# KiCad board Smart LED WS2812B Ring7.kicad_pcb (continued)
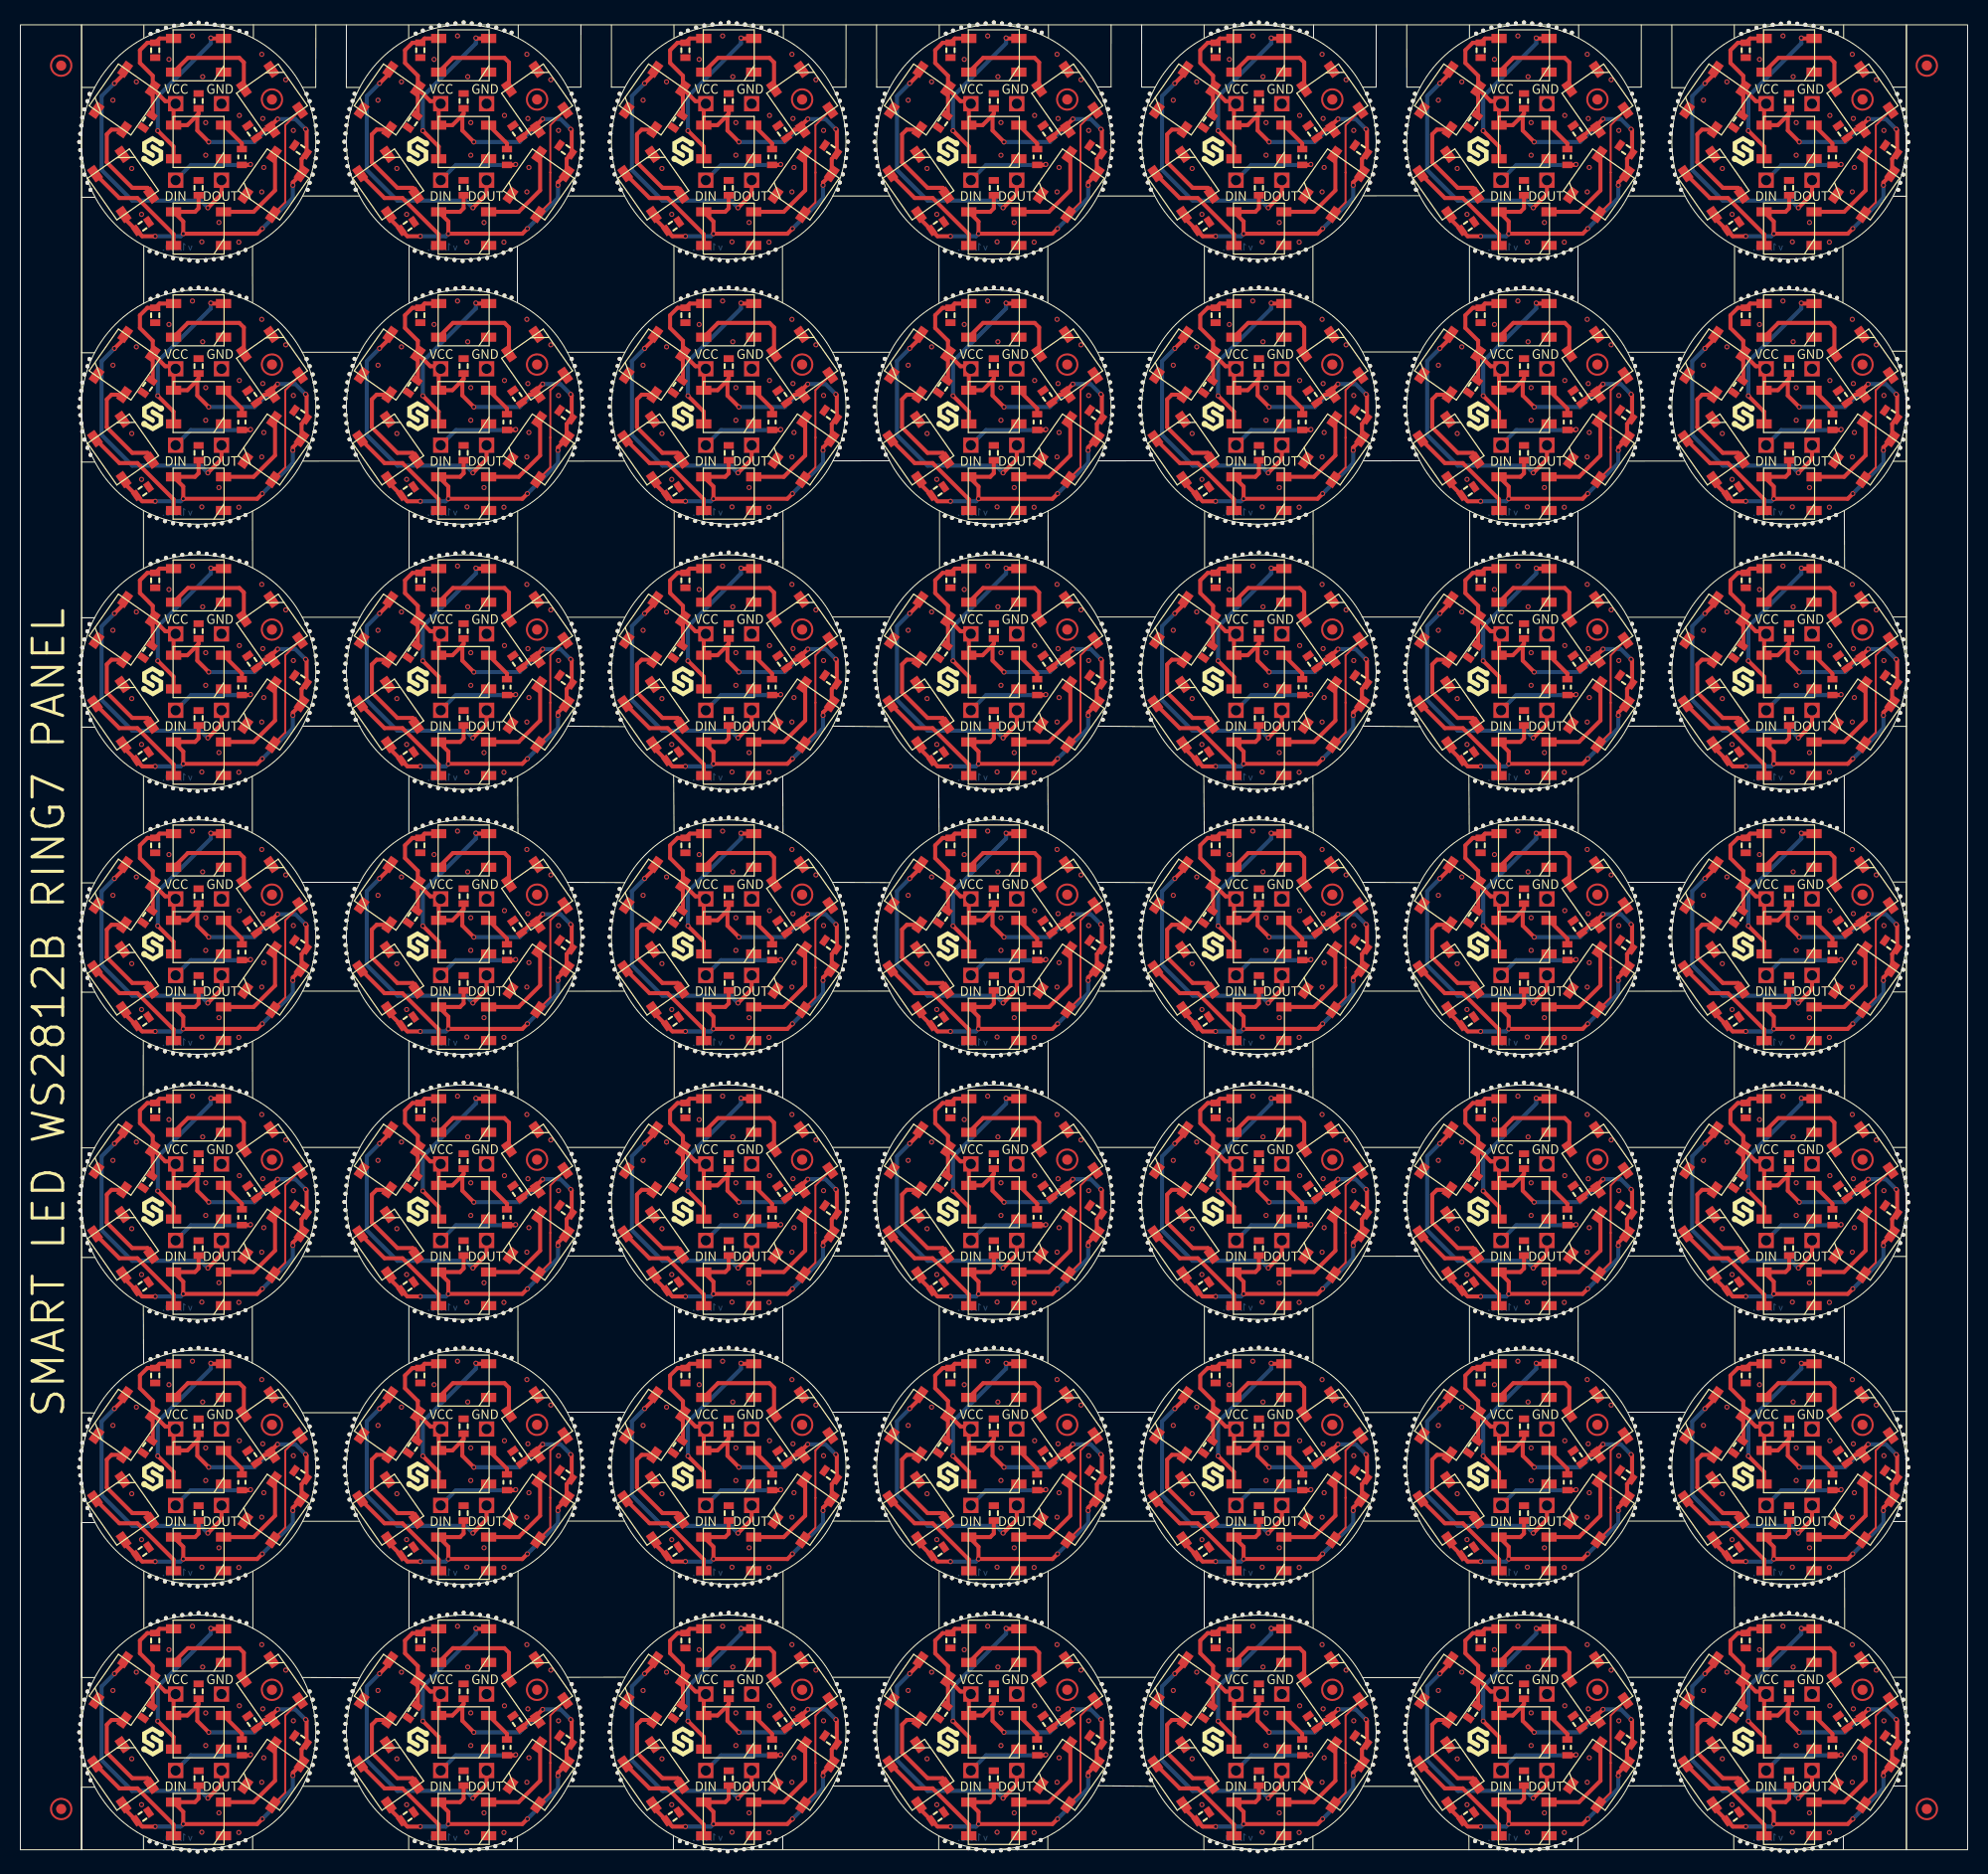
[diagram p0: board, top side]
## Routing (per net, layer and track width the routed paths; a pad name or vN(x,y) marks a point on that pad's centre or on a via; arc(x,y) is an arc through that point) (continued)
Net-(LED1-Pad2): length 779.9
  Top w0.4: v1(91.47,142.63) 93.03,141.08 LED1#23.2 ; v1(96.68,21.73) 96.72,21.69 LED2#30.4 ; v1(18.67,177.73) 18.72,177.69 LED2#15.4 ; LED2#24.4 96.72,177.69 v1(96.68,177.73) ; LED2#18.4 174.72,73.69 v1(174.68,73.73) ; v1(44.67,21.73) 44.72,21.69 LED2#44.4 ; LED2#41.4 18.72,21.69 v1(18.67,21.73) ; LED2#37.4 44.72,99.69 v1(44.67,99.73) ; v1(70.68,47.73) 70.72,47.69 LED2#4.4 ; LED2#14.4 96.72,47.69 v1(96.68,47.73) ; v1(91.47,12.63) 93.03,11.08 LED1#30.2 ; v1(148.68,125.73) 148.72,125.69 LED2#48.4 ; v1(96.68,73.73) 96.72,73.69 LED2#28.4 ; v1(91.47,38.63) 93.03,37.08 LED1#14.2 ; LED1#45.2 15.03,63.08 v1(13.47,64.63) ; v1(117.47,90.63) 119.03,89.08 LED1#22.2 ; LED2#20.4 70.72,151.69 v1(70.68,151.73) ; LED1#43.2 119.03,167.08 v1(117.47,168.63) ; LED1#12.2 171.03,115.08 v1(169.47,116.63) ; LED1#5.2 67.03,167.08 v1(65.47,168.63) ; v1(143.47,116.63) 145.03,115.08 LED1#18.2 ; v1(117.47,116.63) 119.03,115.08 LED1#24.2 ; v1(169.47,90.63) 171.03,89.08 LED1#7.2 ; v1(65.47,90.63) 67.03,89.08 LED1#36.2 ; LED1#11.2 119.03,37.08 v1(117.47,38.63) ; v1(70.68,99.73) 70.72,99.69 LED2.4 ; LED1#2.2 67.03,63.08 v1(65.47,64.63) ; v1(143.47,64.63) 145.03,63.08 LED1#29.2 ; v1(122.68,73.73) 122.72,73.69 LED2#34.4 ; LED1#20.2 93.03,63.08 v1(91.47,64.63) ; v1(39.47,116.63) 41.03,115.08 LED1#38.2 ; v1(174.68,21.73) 174.72,21.69 LED2#6.4 ; LED1#13.2 41.03,63.08 v1(39.47,64.63) ; v1(169.47,38.63) 171.03,37.08 LED1#26.2 ; LED2#47.4 96.72,125.69 v1(96.68,125.73) ; LED1#35.2 171.03,141.08 v1(169.47,142.63) ; LED1#42.2 67.03,141.08 v1(65.47,142.63) ; v1(65.47,116.63) 67.03,115.08 LED1#9.2 ; LED2#40.4 44.72,177.69 v1(44.67,177.73) ; LED2#11.4 18.72,125.69 v1(18.67,125.73) ; LED2#22.4 148.72,177.69 v1(148.68,177.73) ; LED2#42.4 18.72,47.69 v1(18.67,47.73) ; v1(91.47,90.63) 93.03,89.08 LED1#16.2 ; LED2#19.4 18.72,99.69 v1(18.67,99.73) ; v1(143.47,38.63) 145.03,37.08 LED1#3.2 ; v1(169.47,168.63) 171.03,167.08 LED1#4.2 ; LED2#29.4 174.72,125.69 v1(174.68,125.73) ; LED2#12.4 44.72,47.69 v1(44.67,47.73) ; LED2#35.4 148.72,151.69 v1(148.68,151.73) ; LED1#32.2 41.03,11.08 v1(39.47,12.63) ; v1(122.68,151.73) 122.72,151.69 LED2#21.4 ; LED2#45.4 96.72,151.69 v1(96.68,151.73) ; v1(39.47,38.63) 41.03,37.08 LED1#46.2 ; LED2#27.4 44.72,151.69 v1(44.67,151.73) ; v1(18.67,151.73) 18.72,151.69 LED2#25.4 ; LED2#7.4 122.72,21.69 v1(122.68,21.73) ; v1(44.67,125.73) 44.72,125.69 LED2#32.4 ; LED1#41.2 15.03,89.08 v1(13.47,90.63) ; v1(96.68,99.73) 96.72,99.69 LED2#31.4 ; v1(117.47,142.63) 119.03,141.08 LED1#37.2 ; LED2#2.4 122.72,125.69 v1(122.68,125.73) ; v1(148.68,21.73) 148.72,21.69 LED2#9.4 ; LED1#40.2 15.03,141.08 v1(13.47,142.63) ; LED2#38.4 122.72,177.69 v1(122.68,177.73) ; LED1#33.2 15.03,115.08 v1(13.47,116.63) ; v1(169.47,12.63) 171.03,11.08 LED1#15.2 ; LED1#21.2 41.03,89.08 v1(39.47,90.63) ; v1(122.68,47.73) 122.72,47.69 LED2#43.4 ; LED2#23.4 44.72,73.69 v1(44.67,73.73) ; LED1#19.2 145.03,89.08 v1(143.47,90.63) ; v1(148.68,47.73) 148.72,47.69 LED2#13.4 ; v1(174.68,99.73) 174.72,99.69 LED2#49.4 ; v1(13.47,168.63) 15.03,167.08 LED1#8.2 ; v1(70.68,73.73) 70.72,73.69 LED2#16.4 ; LED1#34.2 119.03,63.08 v1(117.47,64.63) ; LED1#44.2 171.03,63.08 v1(169.47,64.63) ; v1(91.47,116.63) 93.03,115.08 LED1#25.2 ; v1(70.68,125.73) 70.72,125.69 LED2#46.4 ; v1(174.68,177.73) 174.72,177.69 LED2#17.4 ; LED1.2 15.03,37.08 v1(13.47,38.63) ; LED1#48.2 41.03,167.08 v1(39.47,168.63) ; LED2#26.4 70.72,177.69 v1(70.68,177.73) ; LED1#28.2 67.03,11.08 v1(65.47,12.63) ; LED1#17.2 145.03,11.08 v1(143.47,12.63) ; LED2#33.4 148.72,73.69 v1(148.68,73.73) ; LED1#31.2 145.03,167.08 v1(143.47,168.63) ; LED1#39.2 93.03,167.08 v1(91.47,168.63) ; LED1#10.2 67.03,37.08 v1(65.47,38.63) ; LED1#49.2 145.03,141.08 v1(143.47,142.63) ; LED1#47.2 119.03,11.08 v1(117.47,12.63) ; v1(174.68,47.73) 174.72,47.69 LED2#36.4 ; v1(18.67,73.73) 18.72,73.69 LED2#39.4 ; LED1#27.2 41.03,141.08 v1(39.47,142.63) ; v1(174.68,151.73) 174.72,151.69 LED2#5.4 ; v1(122.68,99.73) 122.72,99.69 LED2#8.4 ; v1(70.68,21.73) 70.72,21.69 LED2#3.4 ; v1(13.47,12.63) 15.03,11.08 LED1#6.2 ; v1(148.68,99.73) 148.72,99.69 LED2#10.4
  Bottom w0.4: v1(13.47,116.63) 13.47,120 18.67,125.2 v1(18.67,125.73) ; v1(96.68,151.73) 96.68,151.2 91.47,146 v1(91.47,142.63) ; v1(44.67,177.73) 44.67,177.2 39.47,172 v1(39.47,168.63) ; v1(39.47,116.63) 39.47,120 44.67,125.2 v1(44.67,125.73) ; v1(91.47,38.63) 91.47,42 96.68,47.2 v1(96.68,47.73) ; v1(148.68,47.73) 148.68,47.2 143.47,42 v1(143.47,38.63) ; v1(44.67,151.73) 44.67,151.2 39.47,146 v1(39.47,142.63) ; v1(65.47,12.63) 65.47,16 70.68,21.2 v1(70.68,21.73) ; v1(122.68,151.73) 122.68,151.2 117.47,146 v1(117.47,142.63) ; v1(65.47,90.63) 65.47,94 70.68,99.2 v1(70.68,99.73) ; v1(96.68,177.73) 96.68,177.2 91.47,172 v1(91.47,168.63) ; v1(169.47,12.63) 169.47,16 174.68,21.2 v1(174.68,21.73) ; v1(91.47,90.63) 91.47,94 96.68,99.2 v1(96.68,99.73) ; v1(70.68,151.73) 70.68,151.2 65.47,146 v1(65.47,142.63) ; v1(148.68,21.73) 148.68,21.2 143.47,16 v1(143.47,12.63) ; v1(122.68,47.73) 122.68,47.2 117.47,42 v1(117.47,38.63) ; v1(96.68,21.73) 96.68,21.2 91.47,16 v1(91.47,12.63) ; v1(122.68,73.73) 122.68,73.2 117.47,68 v1(117.47,64.63) ; v1(18.67,177.73) 18.67,177.2 13.47,172 v1(13.47,168.63) ; v1(122.68,177.73) 122.68,177.2 117.47,172 v1(117.47,168.63) ; v1(148.68,125.73) 148.68,125.2 143.47,120 v1(143.47,116.63) ; v1(122.68,21.73) 122.68,21.2 117.47,16 v1(117.47,12.63) ; v1(70.68,125.73) 70.68,125.2 65.47,120 v1(65.47,116.63) ; v1(169.47,142.63) 169.47,146 174.68,151.2 v1(174.68,151.73) ; v1(39.47,38.63) 39.47,42 44.67,47.2 v1(44.67,47.73) ; v1(122.68,99.73) 122.68,99.2 117.47,94 v1(117.47,90.63) ; v1(91.47,116.63) 91.47,120 96.68,125.2 v1(96.68,125.73) ; v1(148.68,177.73) 148.68,177.2 143.47,172 v1(143.47,168.63) ; v1(70.68,73.73) 70.68,73.2 65.47,68 v1(65.47,64.63) ; v1(65.47,168.63) 65.47,172 70.68,177.2 v1(70.68,177.73) ; v1(18.67,151.73) 18.67,151.2 13.47,146 v1(13.47,142.63) ; v1(174.68,125.73) 174.68,125.2 169.47,120 v1(169.47,116.63) ; v1(18.67,99.73) 18.67,99.2 13.47,94 v1(13.47,90.63) ; v1(65.47,38.63) 65.47,42 70.68,47.2 v1(70.68,47.73) ; v1(169.47,168.63) 169.47,172 174.68,177.2 v1(174.68,177.73) ; v1(143.47,90.63) 143.47,94 148.68,99.2 v1(148.68,99.73) ; v1(18.67,47.73) 18.67,47.2 13.47,42 v1(13.47,38.63) ; v1(18.67,73.73) 18.67,73.2 13.47,68 v1(13.47,64.63) ; v1(39.47,64.63) 39.47,68 44.67,73.2 v1(44.67,73.73) ; v1(148.68,151.73) 148.68,151.2 143.47,146 v1(143.47,142.63) ; v1(18.67,21.73) 18.67,21.2 13.47,16 v1(13.47,12.63) ; v1(39.47,90.63) 39.47,94 44.67,99.2 v1(44.67,99.73) ; v1(169.47,90.63) 169.47,94 174.68,99.2 v1(174.68,99.73) ; v1(174.68,73.73) 174.68,73.2 169.47,68 v1(169.47,64.63) ; v1(96.68,73.73) 96.68,73.2 91.47,68 v1(91.47,64.63) ; v1(143.47,64.63) 143.47,68 148.68,73.2 v1(148.68,73.73) ; v1(39.47,12.63) 39.47,16 44.67,21.2 v1(44.67,21.73) ; v1(169.47,38.63) 169.47,42 174.68,47.2 v1(174.68,47.73) ; v1(117.47,116.63) 117.47,120 122.68,125.2 v1(122.68,125.73)
Net-(LED1-Pad4): length 151.7
  Top w0.4: 151.72,62.83 151.72,63.38 LED1#29.4 ; 47.72,62.83 47.72,63.38 LED1#13.4 ; R1#31.1 125.72,141.38 LED1#37.4 ; LED1.4 21.72,37.38 21.72,36.83 ; LED1#33.4 21.72,115.38 21.72,114.83 ; R1#37.1 99.72,167.38 LED1#39.4 ; LED1#6.4 21.72,11.38 21.72,10.83 ; R1#35.1 151.72,141.38 LED1#49.4 ; LED1#45.4 21.72,63.38 21.72,62.83 ; 73.72,114.83 73.72,115.38 LED1#9.4 ; R1#27.1 73.72,141.38 LED1#42.4 ; 151.72,36.83 151.72,37.38 LED1#3.4 ; 151.72,88.83 151.72,89.38 LED1#19.4 ; LED1#14.4 99.72,37.38 99.72,36.83 ; 125.72,10.83 125.72,11.38 LED1#47.4 ; 99.72,114.83 99.72,115.38 LED1#25.4 ; 73.72,36.83 73.72,37.38 LED1#10.4 ; R1#13.1 99.72,141.38 LED1#23.4 ; LED1#43.4 125.72,167.38 R1#42.1 ; R1#8.1 73.72,167.38 LED1#5.4 ; 177.72,114.83 177.72,115.38 LED1#12.4 ; LED1#15.4 177.72,11.38 177.72,10.83 ; 73.72,10.83 73.72,11.38 LED1#28.4 ; LED1#20.4 99.72,63.38 99.72,62.83 ; 73.72,88.83 73.72,89.38 LED1#36.4 ; 125.72,114.83 125.72,115.38 LED1#24.4 ; R1#41.1 151.72,167.38 LED1#31.4 ; LED1#34.4 125.72,63.38 125.72,62.83 ; R1#45.1 47.72,167.38 LED1#48.4 ; 21.72,88.83 21.72,89.38 LED1#41.4 ; R1#4.1 47.72,141.38 LED1#27.4 ; LED1#17.4 151.72,11.38 151.72,10.83 ; LED1#44.4 177.72,63.38 177.72,62.83 ; LED1#8.4 21.72,167.38 R1#29.1 ; LED1#40.4 21.72,141.38 R1#12.1 ; LED1#32.4 47.72,11.38 47.72,10.83 ; LED1#21.4 47.72,89.38 47.72,88.83 ; LED1#2.4 73.72,63.38 73.72,62.83 ; LED1#22.4 125.72,89.38 125.72,88.83 ; LED1#46.4 47.72,37.38 47.72,36.83 ; LED1#4.4 177.72,167.38 R1#7.1 ; 177.72,36.83 177.72,37.38 LED1#26.4 ; LED1#38.4 47.72,115.38 47.72,114.83 ; 151.72,114.83 151.72,115.38 LED1#18.4 ; LED1#35.4 177.72,141.38 R1#11.1 ; 99.72,88.83 99.72,89.38 LED1#16.4 ; 99.72,10.83 99.72,11.38 LED1#30.4 ; LED1#11.4 125.72,37.38 125.72,36.83 ; LED1#7.4 177.72,89.38 177.72,88.83
Net-(LED2-Pad2): length 501.6
  Top w0.4: LED2#15.2 16.42,175.78 21.47,175.78 21.92,175.34 LED3#28.4 ; LED3#25.4 125.92,19.34 125.47,19.78 120.43,19.78 LED2#7.2 ; LED3#23.4 125.92,45.34 125.47,45.78 120.43,45.78 LED2#43.2 ; LED2#16.2 68.43,71.78 73.47,71.78 73.92,71.34 LED3#41.4 ; LED2#24.2 94.43,175.78 99.47,175.78 99.92,175.34 LED3#45.4 ; LED2#49.2 172.43,97.78 177.47,97.78 177.92,97.34 LED3#8.4 ; LED2#5.2 172.43,149.78 177.47,149.78 177.92,149.34 LED3#19.4 ; LED3#11.4 125.92,175.34 125.47,175.78 120.43,175.78 LED2#38.2 ; LED2#30.2 94.43,19.78 99.47,19.78 99.92,19.34 LED3#21.4 ; LED3#13.4 151.92,175.34 151.47,175.78 146.43,175.78 LED2#22.2 ; LED2#21.2 120.43,149.78 125.47,149.78 125.92,149.34 LED3#4.4 ; LED2#13.2 146.43,45.78 151.47,45.78 151.92,45.34 LED3#37.4 ; LED3#36.4 47.92,175.34 47.47,175.78 42.42,175.78 LED2#40.2 ; LED3#29.4 21.92,45.34 21.47,45.78 16.42,45.78 LED2#42.2 ; LED3#46.4 21.92,71.34 21.47,71.78 16.42,71.78 LED2#39.2 ; LED2#27.2 42.42,149.78 47.47,149.78 47.92,149.34 LED3#15.4 ; LED2#44.2 42.42,19.78 47.47,19.78 47.92,19.34 LED3#16.4 ; LED2#33.2 146.43,71.78 151.47,71.78 151.92,71.34 LED3#3.4 ; LED3#34.4 47.92,45.34 47.47,45.78 42.42,45.78 LED2#12.2 ; LED3#40.4 73.92,97.34 73.47,97.78 68.43,97.78 LED2.2 ; LED2#45.2 94.43,149.78 99.47,149.78 99.92,149.34 LED3#33.4 ; LED3#39.4 177.92,19.34 177.47,19.78 172.43,19.78 LED2#6.2 ; LED3#44.4 73.92,45.34 73.47,45.78 68.43,45.78 LED2#4.2 ; LED3#9.4 47.92,123.34 47.47,123.78 42.42,123.78 LED2#32.2 ; LED2#14.2 94.43,45.78 99.47,45.78 99.92,45.34 LED3#17.4 ; LED3#49.4 21.92,97.34 21.47,97.78 16.42,97.78 LED2#19.2 ; LED2#8.2 120.43,97.78 125.47,97.78 125.92,97.34 LED3#31.4 ; LED2#34.2 120.43,71.78 125.47,71.78 125.92,71.34 LED3#35.4 ; LED3#12.4 151.92,19.34 151.47,19.78 146.43,19.78 LED2#9.2 ; LED3#27.4 99.92,97.34 99.47,97.78 94.43,97.78 LED2#31.2 ; LED3#30.4 177.92,45.34 177.47,45.78 172.43,45.78 LED2#36.2 ; LED2#41.2 16.42,19.78 21.47,19.78 21.92,19.34 LED3#22.4 ; LED2#17.2 172.43,175.78 177.47,175.78 177.92,175.34 LED3#6.4 ; LED2#46.2 68.43,123.78 73.47,123.78 73.92,123.34 LED3#43.4 ; LED3#26.4 151.92,149.34 151.47,149.78 146.43,149.78 LED2#35.2 ; LED2#20.2 68.43,149.78 73.47,149.78 73.92,149.34 LED3#10.4 ; LED2#37.2 42.42,97.78 47.47,97.78 47.92,97.34 LED3.4 ; LED2#25.2 16.42,149.78 21.47,149.78 21.92,149.34 LED3#2.4 ; LED2#10.2 146.43,97.78 151.47,97.78 151.92,97.34 LED3#32.4 ; LED2#3.2 68.43,19.78 73.47,19.78 73.92,19.34 LED3#47.4 ; LED2#48.2 146.43,123.78 151.47,123.78 151.92,123.34 LED3#24.4 ; LED2#11.2 16.42,123.78 21.47,123.78 21.92,123.34 LED3#5.4 ; LED2#23.2 42.42,71.78 47.47,71.78 47.92,71.34 LED3#7.4 ; LED2#18.2 172.43,71.78 177.47,71.78 177.92,71.34 LED3#42.4 ; LED2#2.2 120.43,123.78 125.47,123.78 125.92,123.34 LED3#20.4 ; LED2#29.2 172.43,123.78 177.47,123.78 177.92,123.34 LED3#14.4 ; LED2#26.2 68.43,175.78 73.47,175.78 73.92,175.34 LED3#38.4 ; LED2#47.2 94.43,123.78 99.47,123.78 99.92,123.34 LED3#18.4 ; LED2#28.2 94.43,71.78 99.47,71.78 99.92,71.34 LED3#48.4
Net-(LED3-Pad2): length 555.1
  Top w0.2: LED4#40.4 155.97,161.62 155.97,164.53 155.98,164.54 155.98,169.19 LED3#13.2 ; LED3#32.2 155.98,91.19 155.98,86.54 155.97,86.53 155.97,83.62 LED4#30.4 ; LED4#41.4 129.97,57.62 129.97,60.53 129.98,60.54 129.98,65.19 LED3#35.2 ; LED3#10.2 77.98,143.19 77.98,138.54 77.97,138.53 77.97,135.62 LED4#4.4 ; LED4#49.4 181.97,57.62 181.97,60.53 181.98,60.54 181.98,65.19 LED3#42.2 ; LED3#41.2 77.98,65.19 77.98,60.54 77.97,60.53 77.97,57.62 LED4#43.4 ; LED3#3.2 155.98,65.19 155.98,60.54 155.97,60.53 155.97,57.62 LED4#34.4 ; LED4#15.4 181.97,31.62 181.97,34.53 181.98,34.54 181.98,39.19 LED3#30.2 ; LED4#42.4 129.97,135.62 129.97,138.53 129.98,138.54 129.98,143.19 LED3#4.2 ; LED4#44.4 25.97,31.62 25.97,34.53 25.98,34.54 25.98,39.19 LED3#29.2 ; LED3#28.2 25.98,169.19 25.98,164.54 25.97,164.53 25.97,161.62 LED4#28.4 ; LED4.4 129.97,31.62 129.97,34.53 129.98,34.54 129.98,39.19 LED3#23.2 ; LED4#22.4 25.97,135.62 25.97,138.53 25.98,138.54 25.98,143.19 LED3#2.2 ; LED4#21.4 77.97,109.62 77.97,112.53 77.98,112.54 77.98,117.19 LED3#43.2 ; LED4#26.4 51.97,83.62 51.97,86.53 51.98,86.54 51.98,91.19 LED3.2 ; LED3#39.2 181.98,13.19 181.98,8.54 181.97,8.53 181.97,5.62 LED4#38.4 ; LED4#45.4 77.97,83.62 77.97,86.53 77.98,86.54 77.98,91.19 LED3#40.2 ; LED4#31.4 51.97,135.62 51.97,138.53 51.98,138.54 51.98,143.19 LED3#15.2 ; LED4#29.4 103.97,83.62 103.97,86.53 103.98,86.54 103.98,91.19 LED3#27.2 ; LED3#46.2 25.98,65.19 25.98,60.54 25.97,60.53 25.97,57.62 LED4#2.4 ; LED3#47.2 77.98,13.19 77.98,8.54 77.97,8.53 77.97,5.62 LED4#27.4 ; LED4#47.4 181.97,83.62 181.97,86.53 181.98,86.54 181.98,91.19 LED3#8.2 ; LED3#33.2 103.98,143.19 103.98,138.54 103.97,138.53 103.97,135.62 LED4#37.4 ; LED4#39.4 51.97,31.62 51.97,34.53 51.98,34.54 51.98,39.19 LED3#34.2 ; LED3#48.2 103.98,65.19 103.98,60.54 103.97,60.53 103.97,57.62 LED4#7.4 ; LED3#26.2 155.98,143.19 155.98,138.54 155.97,138.53 155.97,135.62 LED4#3.4 ; LED4#33.4 51.97,109.62 51.97,112.53 51.98,112.54 51.98,117.19 LED3#9.2 ; LED3#25.2 129.98,13.19 129.98,8.54 129.97,8.53 129.97,5.62 LED4#35.4 ; LED3#38.2 77.98,169.19 77.98,164.54 77.97,164.53 77.97,161.62 LED4#48.4 ; LED3#37.2 155.98,39.19 155.98,34.54 155.97,34.53 155.97,31.62 LED4#6.4 ; LED4#25.4 51.97,5.62 51.97,8.53 51.98,8.54 51.98,13.19 LED3#16.2 ; LED3#21.2 103.98,13.19 103.98,8.54 103.97,8.53 103.97,5.62 LED4#24.4 ; LED4#23.4 129.97,161.62 129.97,164.53 129.98,164.54 129.98,169.19 LED3#11.2 ; LED4#8.4 129.97,109.62 129.97,112.53 129.98,112.54 129.98,117.19 LED3#20.2 ; LED3#44.2 77.98,39.19 77.98,34.54 77.97,34.53 77.97,31.62 LED4#20.4 ; LED4#5.4 129.97,83.62 129.97,86.53 129.98,86.54 129.98,91.19 LED3#31.2 ; LED3#14.2 181.98,117.19 181.98,112.54 181.97,112.53 181.97,109.62 LED4#14.4 ; LED3#19.2 181.98,143.19 181.98,138.54 181.97,138.53 181.97,135.62 LED4#36.4 ; LED3#12.2 155.98,13.19 155.98,8.54 155.97,8.53 155.97,5.62 LED4#11.4 ; LED3#17.2 103.98,39.19 103.98,34.54 103.97,34.53 103.97,31.62 LED4#18.4 ; LED3#22.2 25.98,13.19 25.98,8.54 25.97,8.53 25.97,5.62 LED4#46.4 ; LED4#32.4 103.97,161.62 103.97,164.53 103.98,164.54 103.98,169.19 LED3#45.2 ; LED3#36.2 51.98,169.19 51.98,164.54 51.97,164.53 51.97,161.62 LED4#13.4 ; LED3#5.2 25.98,117.19 25.98,112.54 25.97,112.53 25.97,109.62 LED4#10.4 ; LED3#6.2 181.98,169.19 181.98,164.54 181.97,164.53 181.97,161.62 LED4#12.4 ; LED3#49.2 25.98,91.19 25.98,86.54 25.97,86.53 25.97,83.62 LED4#17.4 ; LED4#16.4 103.97,109.62 103.97,112.53 103.98,112.54 103.98,117.19 LED3#18.2 ; LED3#24.2 155.98,117.19 155.98,112.54 155.97,112.53 155.97,109.62 LED4#19.4 ; LED3#7.2 51.98,65.19 51.98,60.54 51.97,60.53 51.97,57.62 LED4#9.4
Net-(LED4-Pad2): length 465.3
  Top w0.4: LED5.4 178.88,134.69 180.97,136.78 180.97,140.23 LED4#36.2 ; LED5#27.4 178.88,108.69 180.97,110.78 180.97,114.23 LED4#14.2 ; LED4#43.2 76.97,62.23 76.97,58.78 74.88,56.69 LED5#36.4 ; LED4#44.2 24.97,36.23 24.97,32.78 22.88,30.69 LED5#16.4 ; LED5#40.4 48.88,56.69 50.97,58.78 50.97,62.23 LED4#9.2 ; LED5#2.4 48.88,108.69 50.97,110.78 50.97,114.23 LED4#33.2 ; 97.93,4.69 100.88,4.69 102.97,6.78 102.97,10.23 LED4#24.2 ; LED5#42.4 100.88,30.69 102.97,32.78 102.97,36.23 LED4#18.2 ; LED5#20.4 22.88,56.69 24.97,58.78 24.97,62.23 LED4#2.2 ; LED5#6.4 152.88,30.69 154.97,32.78 154.97,36.23 LED4#6.2 ; 175.93,4.69 178.88,4.69 180.97,6.78 180.97,10.23 LED4#38.2 ; LED4#45.2 76.97,88.23 76.97,84.78 74.88,82.69 LED5#25.4 ; LED5#43.4 74.88,108.69 76.97,110.78 76.97,114.23 LED4#21.2 ; LED5#31.4 126.88,56.69 128.97,58.78 128.97,62.23 LED4#41.2 ; LED4#19.2 154.97,114.23 154.97,110.78 152.88,108.69 LED5#7.4 ; LED5#17.4 74.88,30.69 76.97,32.78 76.97,36.23 LED4#20.2 ; LED5#38.4 178.88,160.69 180.97,162.78 180.97,166.23 LED4#12.2 ; LED4#8.2 128.97,114.23 128.97,110.78 126.88,108.69 LED5#24.4 ; LED5#33.4 152.88,82.69 154.97,84.78 154.97,88.23 LED4#30.2 ; LED4#42.2 128.97,140.23 128.97,136.78 126.88,134.69 LED5#48.4 ; LED5#46.4 152.88,160.69 154.97,162.78 154.97,166.23 LED4#40.2 ; LED4#13.2 50.97,166.23 50.97,162.78 48.88,160.69 LED5#19.4 ; LED5#41.4 178.88,56.69 180.97,58.78 180.97,62.23 LED4#49.2 ; LED5#23.4 48.88,30.69 50.97,32.78 50.97,36.23 LED4#39.2 ; LED4#26.2 50.97,88.23 50.97,84.78 48.88,82.69 LED5#39.4 ; 123.93,4.69 126.88,4.69 128.97,6.78 128.97,10.23 LED4#35.2 ; LED4.2 128.97,36.23 128.97,32.78 126.88,30.69 LED5#8.4 ; LED4#10.2 24.97,114.23 24.97,110.78 22.88,108.69 LED5#49.4 ; 71.93,4.69 74.88,4.69 76.97,6.78 76.97,10.23 LED4#27.2 ; LED5#29.4 152.88,134.69 154.97,136.78 154.97,140.23 LED4#3.2 ; LED5#21.4 100.88,56.69 102.97,58.78 102.97,62.23 LED4#7.2 ; LED5#9.4 100.88,134.69 102.97,136.78 102.97,140.23 LED4#37.2 ; LED5#32.4 126.88,82.69 128.97,84.78 128.97,88.23 LED4#5.2 ; LED4#48.2 76.97,166.23 76.97,162.78 74.88,160.69 LED5#13.4 ; 45.92,4.69 48.88,4.69 50.97,6.78 50.97,10.23 LED4#25.2 ; LED4#34.2 154.97,62.23 154.97,58.78 152.88,56.69 LED5#44.4 ; LED5#22.4 178.88,82.69 180.97,84.78 180.97,88.23 LED4#47.2 ; LED5#34.4 48.88,134.69 50.97,136.78 50.97,140.23 LED4#31.2 ; 149.93,4.69 152.88,4.69 154.97,6.78 154.97,10.23 LED4#11.2 ; LED4#28.2 24.97,166.23 24.97,162.78 22.88,160.69 LED5#35.4 ; LED4#16.2 102.97,114.23 102.97,110.78 100.88,108.69 LED5#26.4 ; LED4#23.2 128.97,166.23 128.97,162.78 126.88,160.69 LED5#11.4 ; LED5#3.4 100.88,160.69 102.97,162.78 102.97,166.23 LED4#32.2 ; LED4#46.2 24.97,10.23 24.97,6.78 22.88,4.69 19.92,4.69 ; LED5#45.4 74.88,134.69 76.97,136.78 76.97,140.23 LED4#4.2 ; LED5#28.4 178.88,30.69 180.97,32.78 180.97,36.23 LED4#15.2 ; LED4#17.2 24.97,88.23 24.97,84.78 22.88,82.69 LED5#37.4 ; LED5#4.4 100.88,82.69 102.97,84.78 102.97,88.23 LED4#29.2 ; LED5#18.4 22.88,134.69 24.97,136.78 24.97,140.23 LED4#22.2
Net-(LED5-Pad2): length 552.2
  Top w0.4: LED5#23.2 41.03,28.48 37.47,32.03 35.71,32.03 LED6#13.4 ; LED5#5.2 119.03,2.49 115.47,6.03 113.71,6.03 LED6#37.4 ; LED5#3.2 93.03,158.48 89.47,162.03 87.71,162.03 LED6#46.4 ; LED6#16.4 165.71,110.03 167.47,110.03 171.03,106.48 LED5#27.2 ; LED6#12.4 165.71,58.03 167.47,58.03 171.03,54.48 LED5#41.2 ; LED5#12.2 171.03,2.49 167.47,6.03 165.71,6.03 LED6.4 ; LED6#38.4 35.71,162.03 37.47,162.03 41.03,158.48 LED5#19.2 ; LED6#30.4 113.71,162.03 115.47,162.03 119.03,158.48 LED5#11.2 ; LED5#17.2 67.03,28.48 63.47,32.03 61.71,32.03 LED6#34.4 ; LED6#14.4 9.71,136.03 11.47,136.03 15.03,132.48 LED5#18.2 ; LED5.2 171.03,132.48 167.47,136.03 165.71,136.03 LED6#9.4 ; LED6#36.4 9.71,110.03 11.47,110.03 15.03,106.48 LED5#49.2 ; LED6#43.4 9.71,162.03 11.47,162.03 15.03,158.48 LED5#35.2 ; LED6#6.4 113.71,58.03 115.47,58.03 119.03,54.48 LED5#31.2 ; LED6#11.4 139.71,110.03 141.47,110.03 145.03,106.48 LED5#7.2 ; LED5#39.2 41.03,80.48 37.47,84.03 35.71,84.03 LED6#22.4 ; LED6#10.4 139.71,32.03 141.47,32.03 145.03,28.48 LED5#6.2 ; LED6#18.4 87.71,84.03 89.47,84.03 93.03,80.48 LED5#4.2 ; LED5#16.2 15.03,28.48 11.47,32.03 9.71,32.03 LED6#27.4 ; LED5#34.2 41.03,132.48 37.47,136.03 35.71,136.03 LED6#35.4 ; LED5#32.2 119.03,80.48 115.47,84.03 113.71,84.03 LED6#23.4 ; LED6#33.4 61.71,6.03 63.47,6.03 67.03,2.49 LED5#10.2 ; LED5#33.2 145.03,80.48 141.47,84.03 139.71,84.03 LED6#8.4 ; LED6#2.4 61.71,162.03 63.47,162.03 67.03,158.48 LED5#13.2 ; LED5#46.2 145.03,158.48 141.47,162.03 139.71,162.03 LED6#42.4 ; LED5#24.2 119.03,106.48 115.47,110.03 113.71,110.03 LED6#31.4 ; LED5#43.2 67.03,106.48 63.47,110.03 61.71,110.03 LED6#32.4 ; LED6#7.4 87.71,58.03 89.47,58.03 93.03,54.48 LED5#21.2 ; LED6#24.4 87.71,32.03 89.47,32.03 93.03,28.48 LED5#42.2 ; LED5#14.2 93.03,2.49 89.47,6.03 87.71,6.03 LED6#25.4 ; LED5#36.2 67.03,54.48 63.47,58.03 61.71,58.03 LED6#3.4 ; LED5#20.2 15.03,54.48 11.47,58.03 9.71,58.03 LED6#26.4 ; LED5#8.2 119.03,28.48 115.47,32.03 113.71,32.03 LED6#15.4 ; LED6#47.4 87.71,136.03 89.47,136.03 93.03,132.48 LED5#9.2 ; LED5#44.2 145.03,54.48 141.47,58.03 139.71,58.03 LED6#41.4 ; LED5#45.2 67.03,132.48 63.47,136.03 61.71,136.03 LED6#45.4 ; LED5#26.2 93.03,106.48 89.47,110.03 87.71,110.03 LED6#40.4 ; LED5#15.2 15.03,2.49 11.47,6.03 9.71,6.03 LED6#5.4 ; LED6#48.4 35.71,6.03 37.47,6.03 41.03,2.49 LED5#30.2 ; LED6#17.4 165.71,32.03 167.47,32.03 171.03,28.48 LED5#28.2 ; LED5#29.2 145.03,132.48 141.47,136.03 139.71,136.03 LED6#28.4 ; LED5#22.2 171.03,80.48 167.47,84.03 165.71,84.03 LED6#21.4 ; LED5#2.2 41.03,106.48 37.47,110.03 35.71,110.03 LED6#29.4 ; LED5#37.2 15.03,80.48 11.47,84.03 9.71,84.03 LED6#19.4 ; LED5#40.2 41.03,54.48 37.47,58.03 35.71,58.03 LED6#49.4 ; LED6#20.4 165.71,162.03 167.47,162.03 171.03,158.48 LED5#38.2 ; LED5#25.2 67.03,80.48 63.47,84.03 61.71,84.03 LED6#44.4 ; LED5#47.2 145.03,2.49 141.47,6.03 139.71,6.03 LED6#39.4 ; LED5#48.2 119.03,132.48 115.47,136.03 113.71,136.03 LED6#4.4
Net-(LED6-Pad2): length 516.9
  Top w0.4: LED6#17.2 168.83,32.68 168.47,33.03 166.97,33.03 164.47,35.53 164.47,38.28 164.94,38.75 LED7#2.4 ; LED7#3.4 138.94,64.75 138.47,64.28 138.47,61.53 140.97,59.03 142.47,59.03 142.83,58.68 LED6#41.2 ; LED7.4 112.94,168.75 112.47,168.28 112.47,165.53 114.97,163.03 116.47,163.03 116.83,162.68 LED6#30.2 ; LED6#42.2 142.83,162.68 142.47,163.03 140.97,163.03 138.47,165.53 138.47,168.28 138.94,168.75 LED7#15.4 ; LED7#25.4 8.94,90.75 8.47,90.28 8.47,87.53 10.97,85.03 12.47,85.03 12.83,84.68 LED6#19.2 ; LED6#12.2 168.83,58.68 168.47,59.03 166.97,59.03 164.47,61.53 164.47,64.28 164.94,64.75 LED7#34.4 ; LED6#34.2 64.83,32.68 64.47,33.03 62.97,33.03 60.47,35.53 60.47,38.28 60.94,38.75 LED7#40.4 ; LED6#35.2 38.83,136.68 38.47,137.03 36.97,137.03 34.47,139.53 34.47,142.28 34.94,142.75 LED7#48.4 ; LED7#47.4 34.94,168.75 34.47,168.28 34.47,165.53 36.97,163.03 38.47,163.03 38.83,162.68 LED6#38.2 ; LED6#21.2 168.83,84.68 168.47,85.03 166.97,85.03 164.47,87.53 164.47,90.28 164.94,90.75 LED7#24.4 ; LED6#29.2 38.83,110.68 38.47,111.03 36.97,111.03 34.47,113.53 34.47,116.28 34.94,116.75 LED7#16.4 ; LED6#10.2 142.83,32.68 142.47,33.03 140.97,33.03 138.47,35.53 138.47,38.28 138.94,38.75 LED7#12.4 ; LED7#5.4 86.94,12.75 86.47,12.28 86.47,9.53 88.97,7.03 90.47,7.03 90.83,6.68 LED6#25.2 ; LED7#8.4 86.94,142.75 86.47,142.28 86.47,139.53 88.97,137.03 90.47,137.03 90.83,136.68 LED6#47.2 ; LED7#22.4 34.94,12.75 34.47,12.28 34.47,9.53 36.97,7.03 38.47,7.03 38.83,6.68 LED6#48.2 ; LED7#13.4 60.94,12.75 60.47,12.28 60.47,9.53 62.97,7.03 64.47,7.03 64.83,6.68 LED6#33.2 ; LED7#49.4 164.94,168.75 164.47,168.28 164.47,165.53 166.97,163.03 168.47,163.03 168.83,162.68 LED6#20.2 ; LED6#36.2 12.83,110.68 12.47,111.03 10.97,111.03 8.47,113.53 8.47,116.28 8.94,116.75 LED7#6.4 ; LED6#32.2 64.83,110.68 64.47,111.03 62.97,111.03 60.47,113.53 60.47,116.28 60.94,116.75 LED7#31.4 ; LED7#10.4 8.94,12.75 8.47,12.28 8.47,9.53 10.97,7.03 12.47,7.03 12.83,6.68 LED6#5.2 ; LED7#32.4 60.94,168.75 60.47,168.28 60.47,165.53 62.97,163.03 64.47,163.03 64.83,162.68 LED6#2.2 ; LED7#7.4 164.94,142.75 164.47,142.28 164.47,139.53 166.97,137.03 168.47,137.03 168.83,136.68 LED6#9.2 ; LED7#39.4 60.94,142.75 60.47,142.28 60.47,139.53 62.97,137.03 64.47,137.03 64.83,136.68 LED6#45.2 ; LED6#15.2 116.83,32.68 116.47,33.03 114.97,33.03 112.47,35.53 112.47,38.28 112.94,38.75 LED7#43.4 ; LED7#21.4 138.94,12.75 138.47,12.28 138.47,9.53 140.97,7.03 142.47,7.03 142.83,6.68 LED6#39.2 ; LED7#36.4 8.94,38.75 8.47,38.28 8.47,35.53 10.97,33.03 12.47,33.03 12.83,32.68 LED6#27.2 ; LED6#43.2 12.83,162.68 12.47,163.03 10.97,163.03 8.47,165.53 8.47,168.28 8.94,168.75 LED7#19.4 ; LED6#46.2 90.83,162.68 90.47,163.03 88.97,163.03 86.47,165.53 86.47,168.28 86.94,168.75 LED7#4.4 ; LED6#4.2 116.83,136.68 116.47,137.03 114.97,137.03 112.47,139.53 112.47,142.28 112.94,142.75 LED7#23.4 ; LED7#18.4 164.94,12.75 164.47,12.28 164.47,9.53 166.97,7.03 168.47,7.03 168.83,6.68 LED6.2 ; LED7#20.4 112.94,90.75 112.47,90.28 112.47,87.53 114.97,85.03 116.47,85.03 116.83,84.68 LED6#23.2 ; LED6#40.2 90.83,110.68 90.47,111.03 88.97,111.03 86.47,113.53 86.47,116.28 86.94,116.75 LED7#29.4 ; LED7#37.4 112.94,116.75 112.47,116.28 112.47,113.53 114.97,111.03 116.47,111.03 116.83,110.68 LED6#31.2 ; LED7#35.4 60.94,64.75 60.47,64.28 60.47,61.53 62.97,59.03 64.47,59.03 64.83,58.68 LED6#3.2 ; LED6#7.2 90.83,58.68 90.47,59.03 88.97,59.03 86.47,61.53 86.47,64.28 86.94,64.75 LED7#9.4 ; LED7#27.4 86.94,90.75 86.47,90.28 86.47,87.53 88.97,85.03 90.47,85.03 90.83,84.68 LED6#18.2 ; LED7#42.4 112.94,64.75 112.47,64.28 112.47,61.53 114.97,59.03 116.47,59.03 116.83,58.68 LED6#6.2 ; LED6#26.2 12.83,58.68 12.47,59.03 10.97,59.03 8.47,61.53 8.47,64.28 8.94,64.75 LED7#38.4 ; LED7#44.4 86.94,38.75 86.47,38.28 86.47,35.53 88.97,33.03 90.47,33.03 90.83,32.68 LED6#24.2 ; LED6#14.2 12.83,136.68 12.47,137.03 10.97,137.03 8.47,139.53 8.47,142.28 8.94,142.75 LED7#17.4 ; LED6#16.2 168.83,110.68 168.47,111.03 166.97,111.03 164.47,113.53 164.47,116.28 164.94,116.75 LED7#11.4 ; LED7#28.4 138.94,90.75 138.47,90.28 138.47,87.53 140.97,85.03 142.47,85.03 142.83,84.68 LED6#8.2 ; LED7#30.4 138.94,142.75 138.47,142.28 138.47,139.53 140.97,137.03 142.47,137.03 142.83,136.68 LED6#28.2 ; LED6#13.2 38.83,32.68 38.47,33.03 36.97,33.03 34.47,35.53 34.47,38.28 34.94,38.75 LED7#46.4 ; LED7#26.4 60.94,90.75 60.47,90.28 60.47,87.53 62.97,85.03 64.47,85.03 64.83,84.68 LED6#44.2 ; LED6#22.2 38.83,84.68 38.47,85.03 36.97,85.03 34.47,87.53 34.47,90.28 34.94,90.75 LED7#45.4 ; LED6#11.2 142.83,110.68 142.47,111.03 140.97,111.03 138.47,113.53 138.47,116.28 138.94,116.75 LED7#14.4 ; LED6#49.2 38.83,58.68 38.47,59.03 36.97,59.03 34.47,61.53 34.47,64.28 34.94,64.75 LED7#41.4 ; LED7#33.4 112.94,12.75 112.47,12.28 112.47,9.53 114.97,7.03 116.47,7.03 116.83,6.68 LED6#37.2